# Altium PCB DriverPCB.PcbDoc (part 2 of 2)
Units mm, origin at the board's own origin, x right, y up, seen from the top; angles counter-clockwise.
Board outline 63 x 108 mm, 4 copper layers (Top Layer, Layer 2, Layer 3, Bottom Layer), stack 1.369 mm thick; 182 components, 114 nets, 540 pads, 159 vias.
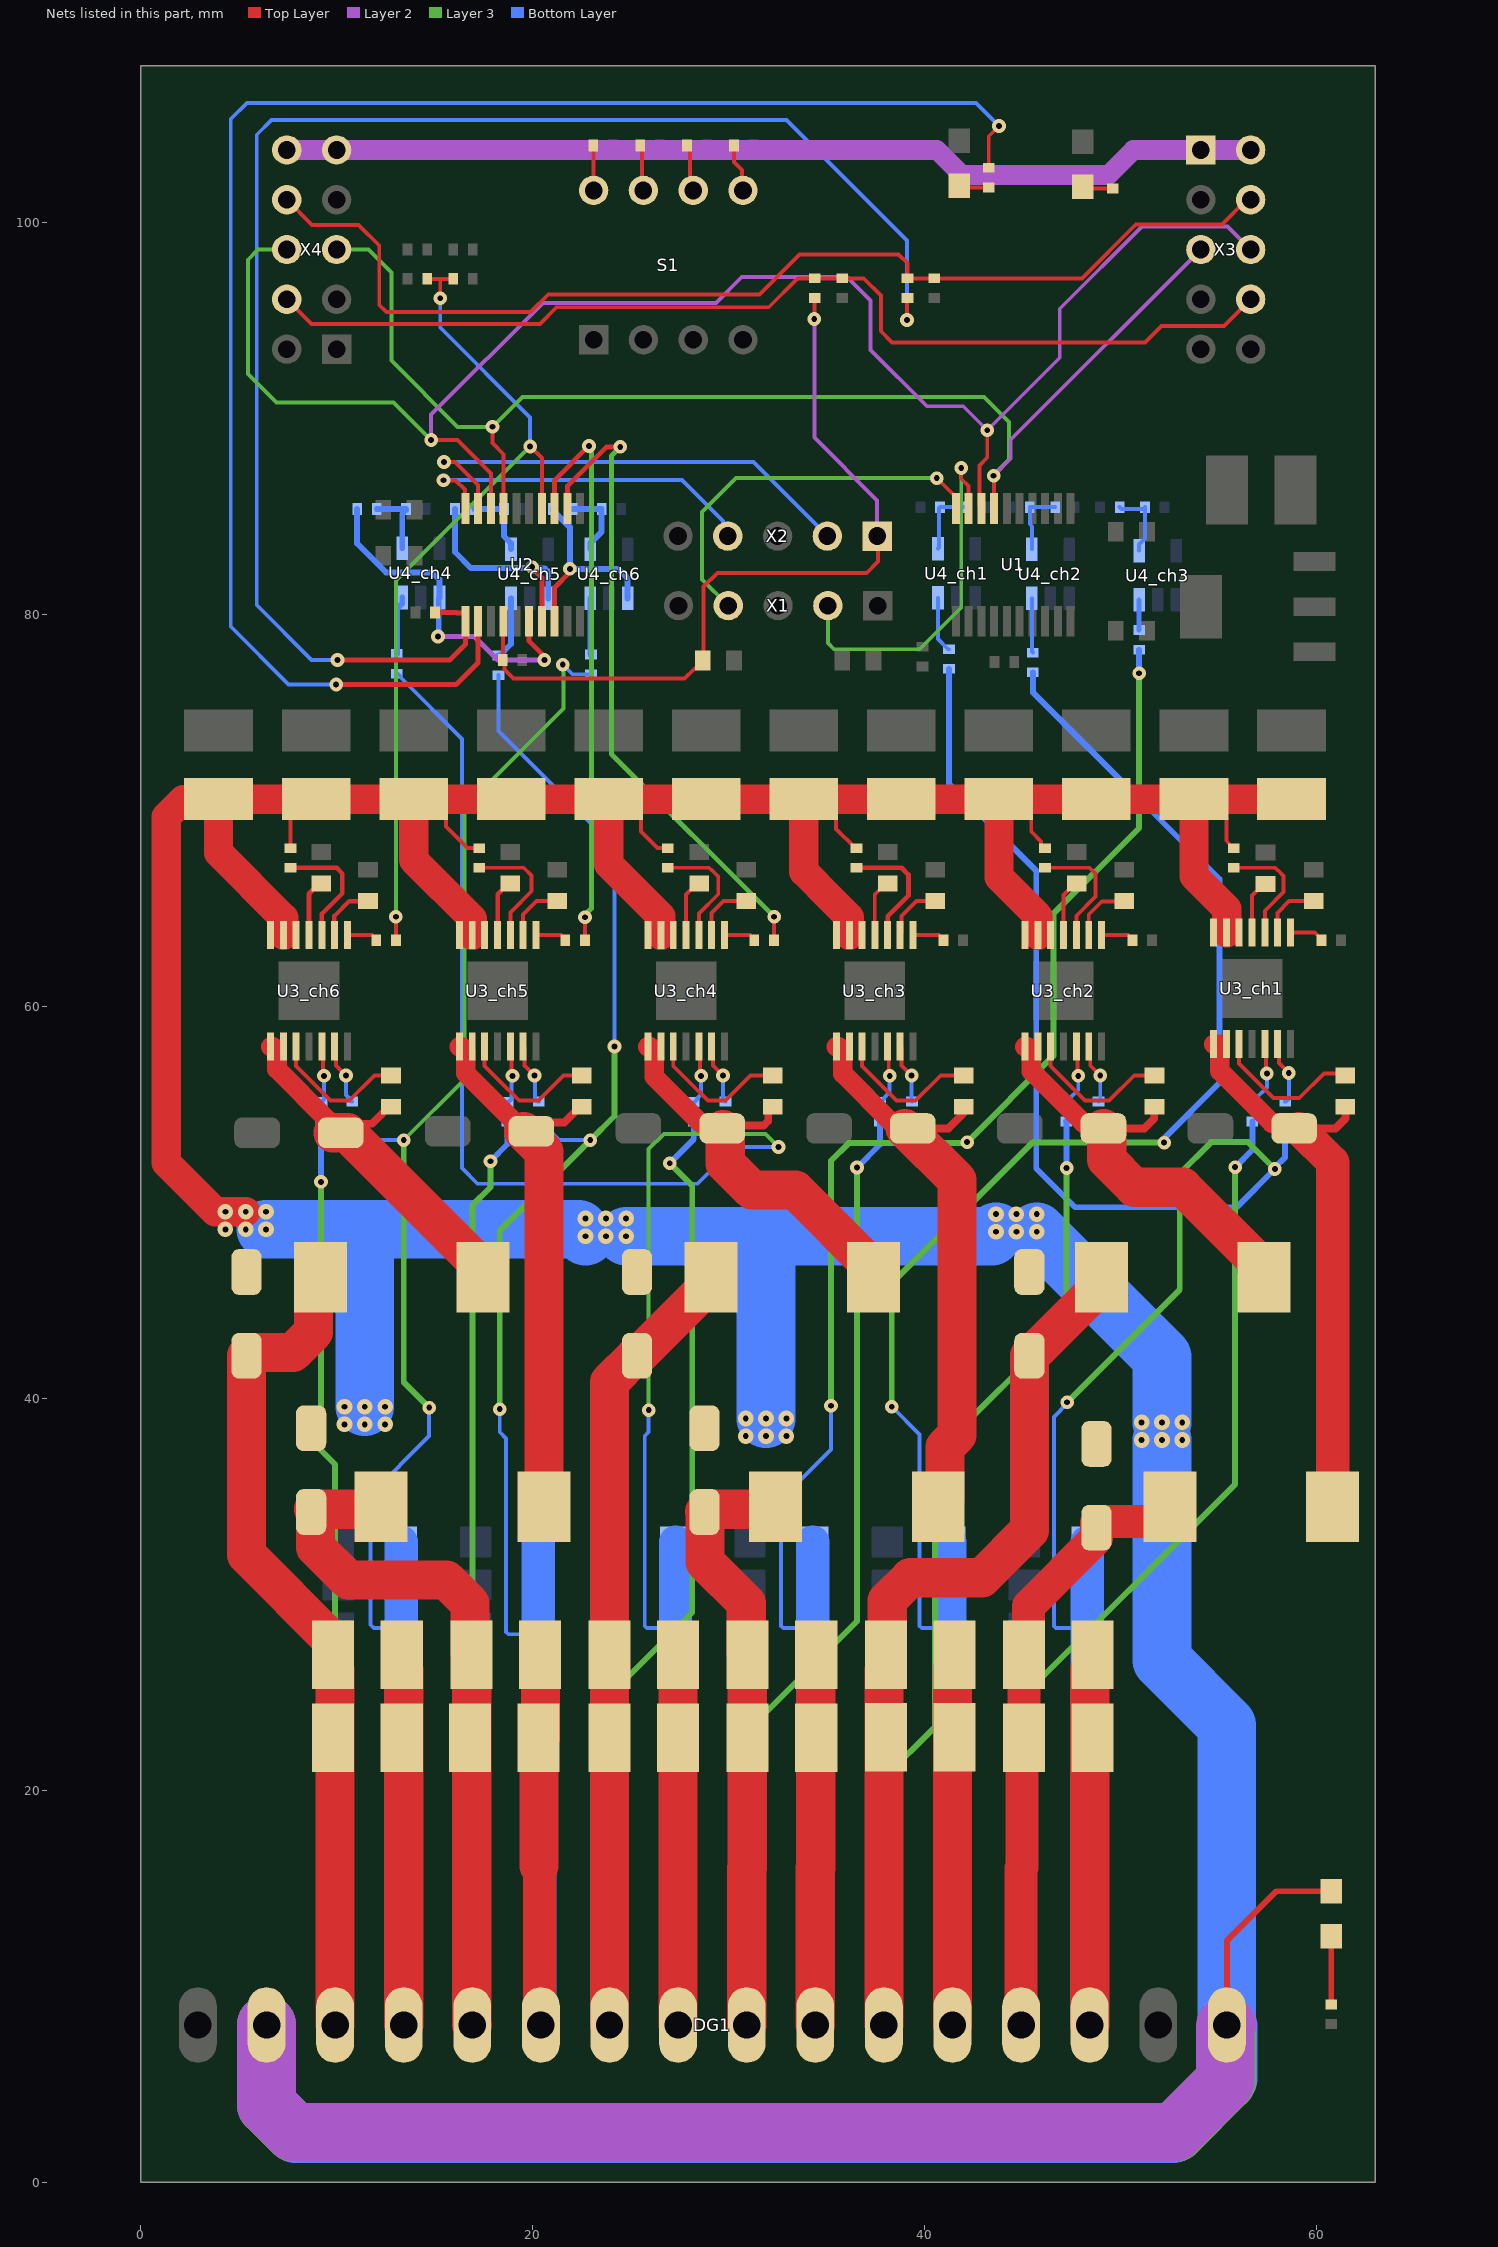
[diagram p4: the nets of this part, all layers, seen from the top]

## Via types
v1: diameter 0.7, hole 0.3, Top Layer to Bottom Layer, tented both sides, 81 vias
v2: diameter 0.8, hole 0.3, Top Layer to Bottom Layer, tented both sides, 78 vias

## Nets (pads, with @x,y where several pads share a name; then routed paths per layer and width w, separated by ;. In a path a pad name is that pad's centre, name@x,y a point inside that pad or via, vN(x,y) a via of type N, cw(c..) or ccw(c..) an arc to the next point about the centre after c; other vN are vias at no path point) (continued)
M1_SWCLK: U1.20 X1.4 | length 20
  Top Layer w0.2: v1(40.625,86.955) 41.6,85.98 U1.20@41.6,85.405
  Layer 3 w0.2: X1.4@29.985,80.45 28.65,81.785 28.65,85.225 30.38,86.955 v1(40.625,86.955)
M1_SWDIO: U1.19 X1.2 | length 19.1
  Top Layer w0.2: v1(41.875,87.475) 41.875,86.925 42.25,86.55 U1.19@42.25,85.405
  Layer 3 w0.2: X1.2@35.065,80.45 35.065,78.535 35.375,78.225 39.742,78.225 41.875,80.358 v1(41.875,87.475)
M2_A0_PWM_CH4: R3_ch6.2 R12.1 R13.2 U2.14 | length 43.2
  Top Layer w0.2: R3_ch6.2@13.025,63.375 v1(13.025,64.575) ; R12.1@14.625,97.125 15.288,97.125 ; v1(15.291,96.134) 15.288,96.138 15.288,97.125 ; R13.2@15.95,97.125 15.288,97.125 ; v1(19.875,88.575) 20.475,87.975 U2.14@20.475,85.405
  Layer 3 w0.2: v1(13.025,64.575) 13.025,81.725 v1(19.875,88.575)
  Bottom Layer w0.2: v1(15.291,96.134) 15.291,94.634 19.875,90.05 v1(19.875,88.575)
M2_ADC1: R17_ch4.2 U2.6 U4_ch4.1 | length 17.9
  Top Layer w0.25: U2.6@19.825,79.645 19.825,78.636 20.514,77.947 20.514,77.761 v1(20.6,77.675)
  Layer 2 w0.25: v1(15.175,78.875) 17.025,78.875 18.225,77.675 v1(20.6,77.675)
  Bottom Layer w0.3: R17_ch4.2@11.05,85.375 11.05,83.625 12.525,82.15 14.875,82.15 15.25,81.775 U4_ch4.1@15.25,80.87 15.212,80.833 15.212,78.912 v1(15.175,78.875)
M2_ADC2: R17_ch5.2 U2.7 U4_ch5.1 | length 11.7
  Top Layer w0.25: v1(19.986,82.414) 19.986,82.366 20.475,81.877 U2.7@20.475,79.645
  Bottom Layer w0.3: R17_ch5.2@16.04,85.375 16.04,83.185 16.85,82.375 19.947,82.375 v1(19.986,82.414) 20.063,82.337 20.637,82.337 20.8,82.174 U4_ch5.1@20.8,80.82
M2_ADC3: R17_ch6.2 U2.8 U4_ch6.1 | length 10.6
  Top Layer w0.25: U2.8@21.125,79.645 21.125,81.375 21.9,82.15 v1(21.9,82.325)
  Bottom Layer w0.3: R17_ch6.2@21.03,85.375 21.03,85.325 21.9,84.455 v1(21.9,82.325) 24.375,82.325 24.575,82.125 24.85,81.85 U4_ch6.1@24.85,80.82
M2_BOOT: R35.1 R48.2 U2.1 | length 80.5
  Top Layer w0.2: v1(39.1,95.025) 39.1,96.125 R48.2@39.125,96.15
  Top Layer w0.25: v1(10.05,77.675) 15.767,77.675 16.575,78.483 U2.1@16.575,79.645 16.575,79.999 16.495,80.079 16.141,80.079 16.12,80.1 R35.1@15.025,80.1
  Bottom Layer w0.2: v1(10.05,77.675) 8.725,77.675 5.925,80.475 5.925,104.475 6.675,105.225 32.95,105.225 39.1,99.075 v1(39.1,95.025)
M2_LED: R40.1 U2.2 | length 84.7
  Top Layer w0.2: R40.1@43.275,102.79 43.275,104.4 v1(43.8,104.925)
  Top Layer w0.25: v1(9.975,76.425) 16.1,76.425 17.225,77.55 U2.2@17.225,79.645
  Bottom Layer w0.2: v1(9.975,76.425) 7.55,76.425 4.6,79.375 4.6,105.275 5.425,106.1 42.625,106.1 v1(43.8,104.925)
M2_NRST: C13.2 R34.1 R46.2 U2.4 X2.1 | length 41.3
  Top Layer w0.2: U2.4@18.525,79.645 18.5,79.62 18.5,77.7 R34.1@18.475,77.675 18.567,77.583 18.567,77.193 19.036,76.725 27.75,76.725 28.275,77.25 28.375,77.25 28.675,77.55 C13.2@28.675,77.65 28.725,77.7 28.725,81.425 29.425,82.125 37.05,82.125 37.625,82.7 37.625,83.955 X2.1@37.58,84 ; v1(34.375,95.075) 34.375,96.125 R46.2@34.4,96.15
  Layer 2 w0.2: v1(34.375,95.075) 34.375,89.025 37.58,85.82 X2.1@37.58,84
M2_PWM_CH1: R3_ch4.2 U2.12 | length 33.5
  Top Layer w0.2: R3_ch4.2@32.315,63.375 32.32,63.38 32.32,64.57 v1(32.325,64.575)
  Top Layer w0.25: U2.12@21.775,85.405 21.775,86.545 23.78,88.55 v1(24.475,88.55)
  Layer 3 w0.25: v1(24.475,88.55) 24.025,88.1 24.025,72.875 v1(32.325,64.575)
M2_PWM_CH2: R3_ch5.2 U2.13 | length 29.3
  Top Layer w0.2: R3_ch5.2@22.67,63.375 22.672,63.377 22.672,64.548 v1(22.675,64.55)
  Top Layer w0.25: U2.13@21.125,85.405 21.125,86.85 v1(22.875,88.6)
  Layer 3 w0.25: v1(22.675,64.55) 22.675,64.672 23,64.997 23,88.353 22.875,88.478 v1(22.875,88.6)
M2_SWCLK: U2.20 X2.4 | length 18.3
  Top Layer w0.2: v1(15.45,86.85) 15.46,86.84 16.073,86.84 16.545,86.368 16.545,85.435 U2.20@16.575,85.405
  Bottom Layer w0.2: v1(15.45,86.85) 27.625,86.85 29.711,84.764 29.711,84.249 X2.4@29.96,84
M2_SWDIO: U2.19 X2.2 | length 24.6
  Top Layer w0.2: v1(15.475,87.775) 16.05,87.775 17.225,86.6 U2.19@17.225,85.405
  Bottom Layer w0.2: v1(15.475,87.775) 31.265,87.775 X2.2@35.04,84
NetC1_ch1_1: C1_ch1.1 D2_ch1.C L1_ch1.1 U3_ch1.1 U3_ch1.2 | length 30.1
  Top Layer w0.4: D2_ch1.C@58.585,54.05 D2_ch1.C@58.86,53.775 59.1,53.775 60.966,53.775 61.475,54.284 C1_ch1.1@61.475,54.875
  Top Layer w1: U3_ch1.1@54.75,58.075 55.072,58.075 55.072,56.703 57.725,54.05 D2_ch1.C@58.585,54.05
  Top Layer w1.7: D2_ch1.C@59.1,53.775 60.825,52.05 L1_ch1.1@60.825,34.475
NetC1_ch1_2: C1_ch1.2 U3_ch1.3 | length 7.7
  Top Layer w0.2: U3_ch1.3@56.045,58.075 56.045,57.083 56.757,56.371 57.807,55.321 59.121,55.321 60.385,56.585 C1_ch1.2@61.365,56.585
  Top Layer w0.3: C1_ch1.2@61.365,56.585 C1_ch1.2@61.475,56.475
NetC1_ch2_1: C1_ch2.1 D2_ch2.C L1_ch2.1 U3_ch2.1 U3_ch2.2 | length 22.2
  Top Layer w0.4: D2_ch2.C@48.855,54.05 D2_ch2.C@49.13,53.775 51.216,53.775 51.725,54.284 51.725,54.865 C1_ch2.1@51.735,54.875
  Top Layer w1: U3_ch2.1@45.128,57.95 45.239,57.95 45.45,57.739 45.45,56.7 48.1,54.05 D2_ch2.C@48.855,54.05
  Top Layer w2: D2_ch2.C@49.13,53.775 49.295,53.61 49.295,52.182 50.702,50.775 53.175,50.775 56.975,46.975 56.975,46.525 L1_ch2.1@57.325,46.175
NetC1_ch2_2: C1_ch2.2 U3_ch2.3 | length 7.1
  Top Layer w0.2: U3_ch2.3@46.423,57.95 46.423,56.958 47.135,56.246 48.185,55.196 49.421,55.196 50.7,56.475 C1_ch2.2@51.264,56.475
NetC1_ch3_1: C1_ch3.1 D2_ch3.C L1_ch3.1 U3_ch3.1 U3_ch3.2 | length 30.3
  Top Layer w0.4: D2_ch3.C@39.125,54.05 D2_ch3.C@39.4,53.775 41.216,53.775 41.975,54.534 41.975,54.855 C1_ch3.1@41.995,54.875
  Top Layer w1: U3_ch3.1@35.505,57.95 35.616,57.95 35.828,57.739 35.828,56.572 38.35,54.05 D2_ch3.C@39.125,54.05
  Top Layer w2: D2_ch3.C@39.01,53.775 41.65,51.135 41.65,38.125 41.05,37.525 41.05,34.825 L1_ch3.1@40.7,34.475
NetC1_ch3_2: C1_ch3.2 U3_ch3.3 | length 7.1
  Top Layer w0.2: U3_ch3.3@36.801,57.95 36.801,56.958 37.513,56.246 38.563,55.196 39.546,55.196 40.825,56.475 C1_ch3.2@41.642,56.475
NetC1_ch4_1: C1_ch4.1 D2_ch4.C L1_ch4.1 U3_ch4.1 U3_ch4.2 | length 21.7
  Top Layer w0.4: D2_ch4.C@29.72,53.725 D2_ch4.C@29.67,53.775 29.82,53.925 31.788,53.925 32.022,54.159 32.022,54.675 32.222,54.875 C1_ch4.1@32.255,54.875
  Top Layer w1: U3_ch4.1@25.883,57.95 25.994,57.95 26.205,57.739 26.205,56.42 28.575,54.05 29.395,54.05 D2_ch4.C@29.67,53.775
  Top Layer w2: D2_ch4.C@29.72,53.725 29.835,53.61 29.835,51.99 31.2,50.625 33.4,50.625 37.4,46.625 L1_ch4.1@37.4,46.175
NetC1_ch4_2: C1_ch4.2 U3_ch4.3 | length 7.1
  Top Layer w0.2: U3_ch4.3@27.178,57.95 27.178,56.958 27.89,56.246 28.94,55.196 29.846,55.196 31.125,56.475 C1_ch4.2@32.02,56.475
NetC1_ch5_1: C1_ch5.1 D2_ch5.C L1_ch5.1 U3_ch5.1 U3_ch5.2 | length 28.4
  Top Layer w0.4: D2_ch5.C@19.94,53.625 20.399,54.084 21.624,54.084 22.415,54.875 C1_ch5.1@22.515,54.875
  Top Layer w1: U3_ch5.1@16.261,57.95 16.372,57.95 16.583,57.739 16.583,56.592 D2_ch5.C@19.55,53.625
  Top Layer w2: D2_ch5.C@19.55,53.625 20.575,52.6 L1_ch5.1@20.575,34.475
NetC1_ch5_2: C1_ch5.2 U3_ch5.3 | length 7.1
  Top Layer w0.2: U3_ch5.3@17.556,57.95 17.556,56.958 18.268,56.246 19.318,55.196 20.296,55.196 21.575,56.475 C1_ch5.2@22.397,56.475
NetC1_ch6_1: C1_ch6.1 D2_ch6.C L1_ch6.1 U3_ch6.1 U3_ch6.2 | length 20.3
  Top Layer w0.4: D2_ch6.C@9.82,53.55 10.279,54.009 11.809,54.009 12.675,54.875 C1_ch6.1@12.775,54.875
  Top Layer w1: U3_ch6.1@6.638,57.95 6.749,57.95 6.961,57.739 6.961,56.799 9.545,54.215 9.545,53.825 D2_ch6.C@9.82,53.55
  Top Layer w2: D2_ch6.C@9.82,53.55 D2_ch6.C@10.21,53.55 10.55,53.55 17.475,46.625 L1_ch6.1@17.475,46.175
NetC1_ch6_2: C1_ch6.2 U3_ch6.3 | length 7.1
  Top Layer w0.2: U3_ch6.3@7.934,57.95 7.934,56.958 8.646,56.246 9.696,55.196 10.646,55.196 11.925,56.475 C1_ch6.2@12.775,56.475
NetC2_ch1_1: C2_ch1.1 U3_ch1.11 | length 2.8
  Top Layer w0.2: U3_ch1.11@56.706,63.765 56.706,65.656 57.3,66.25 C2_ch1.1@57.4,66.25
NetC2_ch2_1: C2_ch2.1 U3_ch2.11 | length 3
  Top Layer w0.2: U3_ch2.11@47.083,63.64 47.083,65.693 47.665,66.275 C2_ch2.1@47.765,66.275
NetC2_ch3_1: C2_ch3.1 U3_ch3.11 | length 3
  Top Layer w0.2: U3_ch3.11@37.461,63.64 37.461,65.706 38.03,66.275 C2_ch3.1@38.13,66.275
NetC2_ch4_1: C2_ch4.1 U3_ch4.11 | length 3
  Top Layer w0.2: U3_ch4.11@27.839,63.64 27.839,65.719 28.395,66.275 C2_ch4.1@28.495,66.275
NetC2_ch5_1: C2_ch5.1 U3_ch5.11 | length 3
  Top Layer w0.23: U3_ch5.11@18.217,63.64 18.217,65.732 18.76,66.275 C2_ch5.1@18.86,66.275
NetC2_ch6_1: C2_ch6.1 U3_ch6.11 | length 3
  Top Layer w0.25: U3_ch6.11@8.594,63.64 8.594,65.744 9.125,66.275 C2_ch6.1@9.225,66.275
NetC5_ch1_1: C5_ch1.1 C6_ch1.1 DG1.14 R4_ch1.1 R5_ch1.1 R6_ch1.1 R7_ch1.1 R8_ch1.1 R9_ch1.1 R14_ch1.1 | length 121
  Top Layer w2: DG1.14@48.425,8.025 48.425,26.1 48.575,26.25 C5_ch1.1@48.575,26.925
  Layer 3 w0.3: v1(47.275,39.8) 53.025,45.55 53.025,51.475 54.625,53.075 56.5,53.075 v1(57.875,51.7)
  Bottom Layer w0.2: v1(47.275,39.8) 47.275,39.731 46.6,39.056 46.6,28.392 46.717,28.275 R7_ch1.1@48.295,28.275
  Bottom Layer w0.3: R14_ch1.1@41.25,77.225 41.25,71.375 45.7,66.925 45.7,51.725 47.675,49.75 55.925,49.75 v1(57.875,51.7) 57.875,51.781 58.4,52.306 R4_ch1.1@58.4,54.15
  Bottom Layer w1.7: R5_ch1.1@48.295,32.675 R6_ch1.1@48.295,30.475 R7_ch1.1@48.295,28.275 R8_ch1.1@48.295,26.075 R9_ch1.1@48.295,23.875 48.295,20.582 48.381,20.497 48.381,8.069 DG1.14@48.425,8.025
NetC5_ch1_2: C5_ch1.2 C6_ch1.2 D1_ch1.A DG1.13 L1_ch1.2 R1_ch1.1 | length 82.5
  Top Layer w1.7: DG1.13@44.925,8.025 44.925,16.025 44.969,16.069 44.969,22.675 45.075,22.781 45.075,26.713 44.969,26.819 C5_ch1.2@45.075,26.925 45.3,27.15 45.3,29.4 48.775,32.875 D1_ch1.A@48.775,33.404 48.775,33.644 48.85,33.719 52.025,33.719 52.525,34.219 L1_ch1.2@52.525,34.475
  Layer 3 w0.3: DG1.13@44.925,8.025 44.925,24.7 55.85,35.625 v1(55.85,51.8)
  Bottom Layer w0.3: v1(55.85,51.8) 56.725,52.675 R1_ch1.1@56.725,54.125
NetC5_ch2_1: C5_ch2.1 C6_ch2.1 DG1.12 R4_ch2.1 R5_ch2.1 R6_ch2.1 R7_ch2.1 R8_ch2.1 R9_ch2.1 R14_ch2.1 | length 113.1
  Top Layer w2: DG1.12@41.425,8.025 41.425,26.15 41.525,26.25 C5_ch2.1@41.525,26.925
  Layer 3 w0.3: v1(38.325,39.575) 38.325,45.875 45.5,53.05 v1(52.225,53.05)
  Bottom Layer w0.2: v1(38.325,39.575) 39.75,38.15 39.75,28.392 39.867,28.275 R7_ch2.1@41.295,28.275 ; R4_ch2.1@48.88,54.15 48.93,54.15 50.03,53.05 v1(52.225,53.05)
  Bottom Layer w0.3: R14_ch2.1@45.525,77.05 45.525,76.025 55.05,66.5 55.05,56.101 52.302,53.352 52.302,53.127 v1(52.225,53.05)
  Bottom Layer w1.7: R5_ch2.1@41.295,32.675 R6_ch2.1@41.295,30.475 R7_ch2.1@41.295,28.275 R8_ch2.1@41.295,26.075 R9_ch2.1@41.295,23.875 41.425,23.745 DG1.12@41.425,8.025
NetC5_ch2_2: C5_ch2.2 C6_ch2.2 D1_ch2.A DG1.11 L1_ch2.2 R1_ch2.1 | length 94.9
  Top Layer w2: DG1.11@37.925,8.025 37.925,26.15 38.025,26.25 C5_ch2.2@38.025,26.925 38.1,27 38.1,29.678 39.272,30.85 42.925,30.85 45.35,33.275 D1_ch2.A@45.35,42.178 45.41,42.178 48.607,45.375 48.675,45.375 49.025,45.725 L1_ch2.2@49.025,46.175
  Layer 3 w0.3: DG1.11@37.925,8.025 37.925,20.625 40.525,23.225 40.525,37.15 47.25,43.875 v1(47.25,51.75)
  Bottom Layer w0.3: R1_ch2.1@47.225,54.125 47.25,54.1 v1(47.25,51.75)
NetC5_ch3_1: C5_ch3.1 C6_ch3.1 DG1.10 R4_ch3.1 R5_ch3.1 R6_ch3.1 R7_ch3.1 R8_ch3.1 R9_ch3.1 R14_ch3.1 | length 109.4
  Top Layer w2: DG1.10@34.425,8.025 34.425,16.025 34.45,16.05 34.45,26.9 C5_ch3.1@34.475,26.925
  Layer 3 w0.3: v1(35.225,39.625) 35.225,52.125 36.125,53.025 v1@42.125,53.025 ; v1(42.175,53.075) 46.575,57.475 46.575,64.725 50.95,69.1 v1(50.95,77)
  Bottom Layer w0.2: R7_ch3.1@34.294,28.275 32.792,28.275 32.675,28.392 32.675,34.85 35.225,37.4 v1(35.225,39.625) ; R4_ch3.1@39.36,54.15 39.41,54.15 40.485,53.075 v1(42.175,53.075)
  Bottom Layer w0.3: v1(50.95,77) R14_ch3.1@50.95,78.2
  Bottom Layer w1.7: R5_ch3.1@34.294,32.675 R6_ch3.1@34.294,30.475 R7_ch3.1@34.294,28.275 R8_ch3.1@34.294,26.075 R9_ch3.1@34.294,23.875 34.294,20.584 34.381,20.497 34.381,8.069 DG1.10@34.425,8.025
NetC5_ch3_2: C5_ch3.2 C6_ch3.2 D1_ch3.A DG1.9 L1_ch3.2 R1_ch3.1 | length 79.8
  Top Layer w2: DG1.9@30.925,8.025 30.925,16.025 30.95,16.05 30.95,26.9 C5_ch3.2@30.975,26.925 30.9,27 30.9,29.55 28.8,31.65 28.8,34.177 D1_ch3.A@28.775,34.202 28.912,34.338 32.263,34.338 L1_ch3.2@32.4,34.475
  Layer 3 w0.3: DG1.9@30.925,8.025 30.925,23 36.55,28.625 v1(36.55,51.775)
  Bottom Layer w0.3: v1(36.55,51.775) 37.725,52.95 R1_ch3.1@37.725,54.125
NetC5_ch4_1: C5_ch4.1 C6_ch4.1 DG1.8 R4_ch4.1 R5_ch4.1 R6_ch4.1 R7_ch4.1 R8_ch4.1 R9_ch4.1 R14_ch4.1 | length 122.4
  Top Layer w2: DG1.8@27.425,8.025 C5_ch4.1@27.425,26.925
  Layer 3 w0.2: v1(25.925,39.4) 25.925,52.725 26.7,53.5 31.875,53.5 v1(32.55,52.825)
  Bottom Layer w0.2: R14_ch4.1@13.075,76.975 13.125,76.975 13.275,76.825 13.275,76.775 16.4,73.65 16.4,51.75 17.2,50.95 28.425,50.95 29.84,52.365 29.84,52.96 ; v1(25.925,39.4) 25.925,38.281 25.725,38.081 25.725,28.392 25.842,28.275 R7_ch4.1@27.293,28.275 ; R4_ch4.1@29.84,54.15 29.84,52.96 ; v1(32.55,52.825) 29.975,52.825 29.84,52.96
  Bottom Layer w1.7: R5_ch4.1@27.293,32.675 R6_ch4.1@27.293,30.475 R7_ch4.1@27.293,28.275 R8_ch4.1@27.293,26.075 R9_ch4.1@27.293,23.875 27.293,20.584 27.381,20.497 27.381,8.069 DG1.8@27.425,8.025
NetC5_ch4_2: C5_ch4.2 C6_ch4.2 D1_ch4.A DG1.7 L1_ch4.2 R1_ch4.1 | length 89.4
  Top Layer w2: DG1.7@23.925,8.025 23.925,16.025 C5_ch4.2@23.925,26.925 23.925,40.838 25.265,42.178 D1_ch4.A@25.325,42.178 25.385,42.178 28.582,45.375 28.75,45.375 29.1,45.725 L1_ch4.2@29.1,46.175
  Layer 3 w0.3: DG1.7@23.925,8.025 23.825,8.125 23.825,24.75 28.15,29.075 28.15,50.85 v1(27,52)
  Bottom Layer w0.3: v1(27,52) 28.225,53.225 R1_ch4.1@28.225,54.125
NetC5_ch5_1: C5_ch5.1 C6_ch5.1 DG1.6 R4_ch5.1 R5_ch5.1 R6_ch5.1 R7_ch5.1 R8_ch5.1 R9_ch5.1 R14_ch5.1 | length 102.3
  Top Layer w1.7: 20.325,16.15 20.35,16.125 20.35,8.056 DG1.6@20.381,8.025
  Top Layer w2: C6_ch5.1@20.3,22.675 20.325,22.65 20.325,16.15 ; C5_ch5.1@20.375,26.925 20.4,26.9 C6_ch5.1@20.4,22.675
  Layer 3 w0.3: v1(18.325,39.45) 18.325,48.555 v1(22.945,53.175) 24.175,54.405 v1(24.175,57.95)
  Bottom Layer w0.2: R14_ch5.1@18.263,76.9 18.263,74.046 24.175,68.133 v1(24.175,57.95) ; v1(18.325,39.45) 18.325,38.275 18.65,37.95 18.65,28.083 18.767,27.965 19.983,27.965 R7_ch5.1@20.292,28.275 ; R4_ch5.1@20.32,54.15 20.37,54.15 21.345,53.175 v1(22.945,53.175)
  Bottom Layer w1.7: R5_ch5.1@20.292,32.675 R6_ch5.1@20.292,30.475 R7_ch5.1@20.292,28.275 R8_ch5.1@20.292,26.075 R9_ch5.1@20.292,23.875 20.292,20.585 20.381,20.497 20.381,8.069 DG1.6@20.425,8.025
NetC5_ch5_2: C5_ch5.2 C6_ch5.2 D1_ch5.A DG1.5 L1_ch5.2 R1_ch5.1 | length 82.6
  Top Layer w2: D1_ch5.A@8.837,34.338 12.138,34.338 L1_ch5.2@12.275,34.475 ; D1_ch5.A@8.925,34.037 8.925,32.4 10.6,30.725 15.6,30.725 16.8,29.525 16.8,27 C5_ch5.2@16.875,26.925 16.9,26.9 16.9,8.05 DG1.5@16.925,8.025
  Layer 3 w0.3: DG1.5@16.925,8.025 16.925,49.85 17.85,50.775 v1(17.85,52.1)
  Bottom Layer w0.3: v1(17.85,52.1) 18.725,52.975 R1_ch5.1@18.725,54.125
NetC5_ch6_1: C5_ch6.1 C6_ch6.1 DG1.4 R4_ch6.1 R5_ch6.1 R6_ch6.1 R7_ch6.1 R8_ch6.1 R9_ch6.1 R14_ch6.1 | length 104.1
  Top Layer w2: C5_ch6.1@13.325,26.925 13.325,26.25 13.425,26.15 DG1.4@13.425,8.025
  Layer 3 w0.2: v1(13.425,53.175) 16.525,56.275 16.525,70.15 21.575,75.2 21.575,77.403 v1(21.539,77.439)
  Layer 3 w0.3: v1(13.425,53.175) 13.425,40.825 v1(14.725,39.525)
  Bottom Layer w0.2: R4_ch6.1@10.8,54.15 10.85,54.15 11.825,53.175 v1(13.425,53.175) ; R7_ch6.1@13.292,28.275 11.901,28.275 11.725,28.451 11.725,35.075 14.725,38.075 v1(14.725,39.525) ; v1(21.539,77.439) 22.028,76.95 R14_ch6.1@22.975,76.95
  Bottom Layer w1.7: R5_ch6.1@13.292,32.675 R6_ch6.1@13.292,30.475 R7_ch6.1@13.292,28.275 R8_ch6.1@13.292,26.075 R9_ch6.1@13.292,23.875 13.292,20.586 13.381,20.497 13.381,8.069 DG1.4@13.425,8.025
NetC5_ch6_2: C5_ch6.2 C6_ch6.2 D1_ch6.A DG1.3 L1_ch6.2 R1_ch6.1 | length 89.3
  Top Layer w2: L1_ch6.2@9.175,46.175 8.825,45.825 8.825,43.39 7.778,42.343 5.565,42.343 D1_ch6.A@5.4,42.178 5.4,32.025 9.825,27.6 C5_ch6.2@9.825,26.925 9.825,26.25 9.925,26.15 DG1.3@9.925,8.025
  Layer 3 w0.3: v1(9.2,51.05) 9.2,37.35 9.925,36.625 DG1.3@9.925,8.025
  Bottom Layer w0.3: v1(9.2,51.05) 9.213,51.063 9.213,54.113 R1_ch6.1@9.225,54.125
NetC7_ch1_1: C7_ch1.1 U3_ch1.9 | length 3.1
  Top Layer w0.2: U3_ch1.9@58.001,63.765 58.001,64.776 58.6,65.375 C7_ch1.1@59.85,65.375
NetC7_ch2_1: C7_ch2.1 U3_ch2.9 | length 3.2
  Top Layer w0.2: U3_ch2.9@48.379,63.64 48.379,64.688 49.041,65.35 50.175,65.35 C7_ch2.1@50.2,65.375
NetC7_ch3_1: C7_ch3.1 U3_ch3.9 | length 3
  Top Layer w0.2: U3_ch3.9@38.757,63.64 38.834,63.717 38.834,64.609 39.6,65.375 C7_ch3.1@40.55,65.375
NetC7_ch4_1: C7_ch4.1 U3_ch4.9 | length 3.1
  Top Layer w0.2: U3_ch4.9@29.134,63.64 29.134,64.759 29.75,65.375 C7_ch4.1@30.9,65.375
NetC7_ch5_1: C7_ch5.1 U3_ch5.9 | length 3.1
  Top Layer w0.2: U3_ch5.9@19.512,63.64 19.512,64.687 20.2,65.375 C7_ch5.1@21.25,65.375
NetC7_ch6_1: C7_ch6.1 U3_ch6.9 | length 3
  Top Layer w0.23: U3_ch6.9@9.89,63.64 9.89,64.615 10.65,65.375 C7_ch6.1@11.6,65.375
NetR1_ch1_2: R1_ch1.2 U3_ch1.5 | length 3.3
  Top Layer w0.2: U3_ch1.5@57.366,58.075 57.417,58.025 57.417,56.631 v1(57.467,56.58)
  Bottom Layer w0.2: R1_ch1.2@56.725,55.125 56.775,55.125 56.925,55.275 56.925,55.325 57.467,55.867 v1(57.467,56.58)
NetR1_ch2_2: R1_ch2.2 U3_ch2.5 | length 3.2
  Top Layer w0.2: U3_ch2.5@47.744,57.95 47.794,57.9 47.794,56.506 v1(47.845,56.455)
  Bottom Layer w0.2: R1_ch2.2@47.225,55.125 47.275,55.125 47.425,55.275 47.425,55.325 47.845,55.745 v1(47.845,56.455)
NetR1_ch3_2: R1_ch3.2 U3_ch3.5 | length 3.1
  Top Layer w0.2: U3_ch3.5@38.122,57.95 38.172,57.9 38.172,56.506 v1(38.222,56.455)
  Bottom Layer w0.2: R1_ch3.2@37.725,55.125 37.775,55.125 37.925,55.275 37.925,55.325 38.222,55.622 v1(38.222,56.455)
NetR1_ch4_2: R1_ch4.2 U3_ch4.5 | length 3.1
  Top Layer w0.2: U3_ch4.5@28.499,57.95 28.55,57.9 28.55,56.506 v1(28.6,56.455)
  Bottom Layer w0.2: R1_ch4.2@28.225,55.125 28.275,55.125 28.425,55.275 28.425,55.325 28.6,55.5 v1(28.6,56.455)
NetR1_ch5_2: R1_ch5.2 U3_ch5.5 | length 3
  Top Layer w0.2: U3_ch5.5@18.877,57.95 18.927,57.9 18.927,56.506 v1(18.978,56.455)
  Bottom Layer w0.2: R1_ch5.2@18.725,55.125 18.775,55.125 18.925,55.275 18.925,56.403 v1(18.978,56.455)
NetR1_ch6_2: R1_ch6.2 U3_ch6.5 | length 2.9
  Top Layer w0.2: U3_ch6.5@9.255,57.95 9.305,57.9 9.305,56.506 v1(9.355,56.455)
  Bottom Layer w0.2: R1_ch6.2@9.225,55.125 9.355,55.255 v1(9.355,56.455)
NetR2_ch1_1: R2_ch1.1 U3_ch1.10 | length 6
  Top Layer w0.2: R2_ch1.1@55.775,67.075 57.875,67.075 58,66.95 58.024,66.95 58.325,66.649 58.325,65.841 57.366,64.882 U3_ch1.10@57.366,63.765
NetR2_ch2_1: R2_ch2.1 U3_ch2.10 | length 6.2
  Top Layer w0.2: R2_ch2.1@46.15,67.075 48.425,67.075 48.725,66.775 48.725,65.6 47.75,64.625 47.75,63.646 U3_ch2.10@47.744,63.64
NetR2_ch3_1: R2_ch3.1 U3_ch3.10 | length 6.3
  Top Layer w0.25: R2_ch3.1@36.525,67.075 38.825,67.075 39.175,66.725 39.175,65.65 38.122,64.597 U3_ch3.10@38.122,63.64
NetR2_ch4_1: R2_ch4.1 U3_ch4.10 | length 6.1
  Top Layer w0.2: R2_ch4.1@26.9,67.075 29,67.075 29.1,66.975 29.119,66.975 29.475,66.619 29.475,65.725 28.499,64.749 U3_ch4.10@28.499,63.64
NetR2_ch5_1: R2_ch5.1 U3_ch5.10 | length 6.3
  Top Layer w0.2: R2_ch5.1@17.275,67.075 19.55,67.075 19.95,66.675 19.95,65.875 18.877,64.802 U3_ch5.10@18.877,63.64
NetR2_ch6_1: R2_ch6.1 U3_ch6.10 | length 6.3
  Top Layer w0.23: R2_ch6.1@7.65,67.075 10,67.075 10.125,66.95 10.3,66.775 10.3,65.775 9.255,64.73 U3_ch6.10@9.255,63.64
NetR3_ch1_1: R3_ch1.1 U3_ch1.8 | length 1.8
  Top Layer w0.2: U3_ch1.8@58.662,63.765 59.91,63.765 60.25,63.425 R3_ch1.1@60.25,63.375
NetR3_ch2_1: R3_ch2.1 U3_ch2.8 | length 1.7
  Top Layer w0.2: U3_ch2.8@49.039,63.64 50.39,63.64 50.605,63.425 R3_ch2.1@50.605,63.375
NetR3_ch3_1: R3_ch3.1 U3_ch3.8 | length 1.7
  Top Layer w0.2: U3_ch3.8@39.417,63.64 40.745,63.64 40.96,63.425 R3_ch3.1@40.96,63.375
NetR3_ch4_1: R3_ch4.1 U3_ch4.8 | length 1.7
  Top Layer w0.2: U3_ch4.8@29.795,63.64 31.1,63.64 31.315,63.425 R3_ch4.1@31.315,63.375
NetR3_ch5_1: R3_ch5.1 U3_ch5.8 | length 1.6
  Top Layer w0.2: U3_ch5.8@20.172,63.64 21.455,63.64 21.67,63.425 R3_ch5.1@21.67,63.375
NetR3_ch6_1: R3_ch6.1 U3_ch6.8 | length 1.6
  Top Layer w0.2: U3_ch6.8@10.55,63.64 11.81,63.64 12.025,63.425 R3_ch6.1@12.025,63.375
NetR4_ch1_2: R4_ch1.2 U3_ch1.6 | length 3.3
  Top Layer w0.2: U3_ch1.6@58.001,58.075 58.079,57.997 58.079,57.108 v1(58.587,56.6)
  Bottom Layer w0.2: R4_ch1.2@58.4,55.15 58.437,55.15 58.587,55.3 v1(58.587,56.6)
NetR4_ch2_2: R4_ch2.2 U3_ch2.6 | length 3.1
  Top Layer w0.2: U3_ch2.6@48.379,57.95 48.457,57.872 48.457,56.983 v1(48.964,56.475)
  Bottom Layer w0.2: R4_ch2.2@48.88,55.15 48.964,55.234 v1(48.964,56.475)
NetR4_ch3_2: R4_ch3.2 U3_ch3.6 | length 3
  Top Layer w0.2: U3_ch3.6@38.757,57.95 38.834,57.872 38.834,56.983 v1(39.342,56.475)
  Bottom Layer w0.2: v1(39.342,56.475) 39.342,55.168 R4_ch3.2@39.36,55.15
NetR4_ch4_2: R4_ch4.2 U3_ch4.6 | length 3.1
  Top Layer w0.2: U3_ch4.6@29.134,57.95 29.212,57.872 29.212,56.983 v1(29.72,56.475)
  Bottom Layer w0.2: v1(29.72,56.475) 29.72,55.27 R4_ch4.2@29.84,55.15
NetR4_ch5_2: R4_ch5.2 U3_ch5.6 | length 3.2
  Top Layer w0.2: U3_ch5.6@19.512,57.95 19.59,57.872 19.59,56.983 v1(20.097,56.475)
  Bottom Layer w0.2: v1(20.097,56.475) 20.12,56.452 20.12,55.3 20.27,55.15 R4_ch5.2@20.32,55.15
NetR4_ch6_2: R4_ch6.2 U3_ch6.6 | length 3.2
  Top Layer w0.2: U3_ch6.6@9.89,57.95 9.967,57.872 9.967,56.983 v1(10.475,56.475)
  Bottom Layer w0.2: v1(10.475,56.475) 10.475,55.475 10.6,55.35 10.6,55.3 10.75,55.15 R4_ch6.2@10.8,55.15
NetR14_ch1_2: R14_ch1.2 U4_ch1.3 | length 2.9
  Bottom Layer w0.2: U4_ch1.3@40.688,80.845 40.688,78.737 41.2,78.225 R14_ch1.2@41.25,78.225
NetR14_ch2_2: R14_ch2.2 U4_ch2.3 | length 2.8
  Bottom Layer w0.2: U4_ch2.3@45.475,80.82 45.475,78.1 R14_ch2.2@45.525,78.05
NetR14_ch3_2: R14_ch3.2 U4_ch3.3 | length 1.5
  Bottom Layer w0.25: R14_ch3.2@50.95,79.2 U4_ch3.3@50.95,80.745
NetR14_ch4_2: R14_ch4.2 U4_ch4.3 | length 3
  Bottom Layer w0.3: R14_ch4.2@13.075,77.975 13.075,80.285 13.35,80.56 U4_ch4.3@13.35,80.87
NetR14_ch5_2: R14_ch5.2 U4_ch5.3 | length 3.2
  Bottom Layer w0.3: R14_ch5.2@18.263,77.9 18.313,77.9 18.9,78.487 U4_ch5.3@18.9,80.82
NetR14_ch6_2: R14_ch6.2 U4_ch6.3 | length 2.9
  Bottom Layer w0.3: U4_ch6.3@22.95,80.82 22.95,77.975 R14_ch6.2@22.975,77.95
NetR16_ch1_2: R16_ch1.2 R17_ch1.1 U4_ch1.4 | length 3.5
  Bottom Layer w0.2: U4_ch1.4@40.688,83.355 40.737,83.405 40.737,85.425 R17_ch1.1@40.787,85.475 R16_ch1.2@42.087,85.475
NetR16_ch2_2: R16_ch2.2 R17_ch2.1 U4_ch2.4 | length 3.5
  Bottom Layer w0.2: U4_ch2.4@45.475,83.33 45.475,84.5 45.372,84.603 R17_ch2.1@45.372,85.475 R16_ch2.2@46.665,85.475
NetR16_ch3_2: R16_ch3.2 R17_ch3.1 U4_ch3.4 | length 3.7
  Bottom Layer w0.2: R17_ch3.1@49.957,85.475 50.057,85.375 51.15,85.375 R16_ch3.2@51.25,85.475 51.25,83.865 50.95,83.565 U4_ch3.4@50.95,83.255
NetR16_ch4_2: R16_ch4.2 R17_ch4.1 U4_ch4.4 | length 3.6
  Bottom Layer w0.3: R17_ch4.1@12.05,85.375 R16_ch4.2@13.545,85.375 13.545,85.325 13.35,85.13 U4_ch4.4@13.35,83.38
NetR16_ch5_2: R16_ch5.2 R17_ch5.1 U4_ch5.4 | length 3.7
  Bottom Layer w0.3: R17_ch5.1@17.04,85.375 R16_ch5.2@18.535,85.375 18.535,84.005 18.9,83.64 U4_ch5.4@18.9,83.33
NetR16_ch6_2: R16_ch6.2 R17_ch6.1 U4_ch6.4 | length 3.8
  Bottom Layer w0.3: R17_ch6.1@22.03,85.375 R16_ch6.2@23.525,85.375 23.525,84.215 22.95,83.64 U4_ch6.4@22.95,83.33
NetR22_2: R22.2 VD1.K | length 3.5
  Top Layer w0.3: R22.2@60.75,9.075 60.75,12.544 VD1.K@60.756,12.55
NetR25_2: R25.2 S1.8 | length 2.3
  Top Layer w0.2: R25.2@23.1,103.925 23.108,103.917 23.108,101.642 S1.8@23.115,101.635
NetR26_2: R26.2 S1.7 | length 2.4
  Top Layer w0.2: R26.2@25.492,103.925 25.573,103.843 25.573,101.717 S1.7@25.655,101.635
NetR27_2: R27.2 S1.6 | length 2.4
  Top Layer w0.2: R27.2@27.883,103.925 28.033,103.775 28.033,101.797 S1.6@28.195,101.635
NetR28_2: R28.2 S1.5 | length 2.5
  Top Layer w0.2: R28.2@30.275,103.925 30.275,103.086 30.676,102.685 30.676,101.694 S1.5@30.735,101.635
NetR29_2: R29.2 VD2.A | length 1.6
  Top Layer w0.2: VD2.A@48.07,101.825 48.155,101.74 R29.2@49.6,101.74
NetR40_2: R40.2 VD3.A | length 1.5
  Top Layer w0.2: VD3.A@41.765,101.875 41.85,101.79 R40.2@43.275,101.79
NetR45_1: R45.1 R46.1 X3.8 X4.4 | length 54
  Top Layer w0.2: X4.4@7.46,96.08 8.715,94.825 20.375,94.825 21.225,95.675 32.05,95.675 33.525,97.15 R46.1@34.4,97.15 R45.1@35.8,97.15 36.9,97.15 37.775,96.275 37.775,94.45 38.35,93.875 51.25,93.875 52.1,94.725 55.285,94.725 X3.8@56.64,96.08
NetR47_1: R47.1 R48.1 X3.4 X4.8 | length 57.2
  Top Layer w0.2: X4.8@7.46,101.16 8.745,99.875 11.125,99.875 12.175,98.825 12.175,95.792 12.542,95.425 19.9,95.425 20.8,96.325 31.575,96.325 33.625,98.375 38.675,98.375 39.125,97.925 R48.1@39.125,97.15 R47.1@40.5,97.15 48.025,97.15 50.775,99.9 55.175,99.9 56.435,101.16 X3.4@56.64,101.16
NetX3_1: X3.1 X3.2 X4.9 X4.10 | length 50.2
  Layer 2 w1: X4.10@7.46,103.7 X4.9@10,103.7 40.625,103.7 41.9,102.425 49.375,102.425 50.65,103.7 X3.1@54.1,103.7 X3.2@56.64,103.7
RX_BUS: U1.18 U2.18 X3.6 X4.6 | length 85.5
  Top Layer w0.2: v1(14.825,88.9) 16.175,88.9 17.875,87.2 U2.18@17.875,85.405 ; U1.18@42.9,85.405 42.795,85.51 42.795,87.595 43.2,88 v1(43.2,89.4)
  Layer 2 w0.2: v1(14.825,88.9) 14.825,90.2 20.525,95.9 29.35,95.9 30.675,97.225 36.05,97.225 37.25,96.025 37.25,93.5 40.125,90.625 41.975,90.625 v1(43.2,89.4) 46.9,93.1 46.9,95.6 51.1,99.8 55.46,99.8 X3.6@56.64,98.62
  Layer 3 w0.2: X4.6@7.46,98.62 5.995,98.62 5.475,98.1 5.475,92.275 6.925,90.825 12.9,90.825 v1(14.825,88.9)
TX_BUS: U1.17 U2.17 X3.5 X4.5 | length 66.9
  Top Layer w0.2: v1(17.95,89.575) 17.95,88.75 18.525,88.175 U2.17@18.525,85.405 ; v1(43.525,87.075) 43.55,87.05 U1.17@43.55,85.405
  Layer 2 w0.2: v1(43.525,87.075) 44.4,87.95 44.4,88.92 X3.5@54.1,98.62
  Layer 3 w0.2: X4.5@10,98.62 11.63,98.62 12.8,97.45 12.8,92.95 16.175,89.575 v1(17.95,89.575) 19.475,91.1 43.025,91.1 44.3,89.825 44.3,87.9 43.525,87.125 v1(43.525,87.075)
Vin_ch1: C3_ch1.2 C3_ch2.2 C3_ch3.2 C3_ch4.2 C3_ch5.2 C3_ch6.2 C4_ch1.2 C4_ch2.2 C4_ch3.2 C4_ch4.2 C4_ch5.2 C4_ch6.2 D1_ch1.C D1_ch2.C D1_ch3.C D1_ch4.C D1_ch5.C D1_ch6.C DG1.2 DG1.16 R2_ch1.2 R2_ch2.2 R2_ch3.2 R2_ch4.2 R2_ch5.2 R2_ch6.2 U3_ch1.12 U3_ch1.13 U3_ch1.14 U3_ch2.12 U3_ch2.13 U3_ch2.14 U3_ch3.12 U3_ch3.13 U3_ch3.14 U3_ch4.12 U3_ch4.13 U3_ch4.14 U3_ch5.12 U3_ch5.13 U3_ch5.14 U3_ch6.12 U3_ch6.13 U3_ch6.14 VD1.A | length 429.7
  Top Layer w0.2: R2_ch6.2@7.65,68.075 7.65,69.6 8.625,70.575 C3_ch6.2@8.952,70.575 ; C4_ch5.2@13.93,70.575 14.605,70.575 15.58,69.6 15.58,69.17 16.675,68.075 R2_ch5.2@17.275,68.075 ; C4_ch4.2@23.884,70.575 24.559,70.575 25.534,69.6 25.534,68.925 26.384,68.075 R2_ch4.2@26.9,68.075 ; C4_ch3.2@33.839,70.575 34.514,70.575 35.489,69.6 35.489,69.061 36.475,68.075 R2_ch3.2@36.525,68.075 ; C3_ch2.2@43.793,70.575 44.468,70.575 45.443,69.6 45.443,68.925 45.95,68.418 45.95,68.225 46.1,68.075 R2_ch2.2@46.15,68.075 ; C3_ch1.2@53.748,70.575 54.423,70.575 55.398,69.6 55.398,68.452 55.575,68.275 55.575,68.225 55.725,68.075 R2_ch1.2@55.775,68.075
  Top Layer w0.3: DG1.16@55.425,8.025 55.425,12.325 57.95,14.85 VD1.A@60.756,14.85
  Top Layer w1.5: v2(5.363,49.525) v2(4.325,49.525) 3.8,49.525 1.3,52.025 1.3,69.671 2.179,70.55 3.95,70.55 C4_ch6.2@3.975,70.575 ; U3_ch6.13@7.299,63.64 7.299,64.521 3.975,67.845 C4_ch6.2@3.975,70.575 ; C3_ch6.2@8.625,70.575 C4_ch6.2@3.975,70.575 ; C3_ch6.2@8.952,70.575 C4_ch5.2@13.93,70.575 13.93,67.47 16.921,64.479 U3_ch5.13@16.921,63.64 ; C4_ch5.2@14.605,70.575 C3_ch5.2@18.907,70.575 C4_ch4.2@23.884,70.575 23.884,67.256 25.665,65.475 26.543,64.596 U3_ch4.13@26.543,63.64 ; C4_ch4.2@24.559,70.575 C3_ch4.2@28.861,70.575 C4_ch3.2@33.839,70.575 33.839,66.873 35.287,65.425 36.166,64.546 U3_ch3.13@36.166,63.64 ; C4_ch3.2@34.514,70.575 C3_ch3.2@38.816,70.575 C3_ch2.2@43.793,70.575 43.8,70.568 43.8,66.6 45.788,64.612 U3_ch2.13@45.788,63.64 ; C3_ch2.2@44.468,70.575 C4_ch2.2@48.77,70.575 C3_ch1.2@53.748,70.575 53.748,66.652 55.41,64.99 U3_ch1.13@55.41,63.765 ; C3_ch1.2@54.423,70.575 C4_ch1.2@58.725,70.575
  Layer 2 w3: DG1.2@6.425,8.025 6.425,3.95 7.825,2.55 52.75,2.55 55.343,5.143 55.343,7.943 DG1.16@55.425,8.025
  Layer 3 w3: DG1.2@6.425,8.025 6.425,3.925 7.825,2.525 52.8,2.525 55.425,5.15 DG1.16@55.425,8.025
  Bottom Layer w3: v2(6.4,48.625) 11.8,48.625 ; DG1.2@6.425,8.025 6.425,3.95 7.9,2.475 52.675,2.475 55.5,5.3 55.5,7.95 DG1.16@55.425,8.025 55.425,23.325 52.113,26.637 v2(52.113,37.875) ; v2(11.438,39.575) 11.438,48.262 11.8,48.625 ; v2(22.7,48.275) 22.35,48.625 11.8,48.625 ; v2(24.775,48.275) 31.8,48.275 ; v2(31.913,38.975) 31.913,48.162 31.8,48.275 ; v2(43.65,48.5) 43.425,48.275 31.8,48.275 ; v2(45.725,48.5) 52.113,42.112 v2(52.113,38.775)
  other v2: 51.075,37.875 53.15,37.875 30.875,38.075 31.913,38.075 32.95,38.075 10.4,38.675 11.438,38.675 12.475,38.675 51.075,38.775 53.15,38.775 30.875,38.975 32.95,38.975 10.4,39.575 12.475,39.575 23.738,48.275 44.688,48.5 4.325,48.625 5.363,48.625 22.7,49.175 23.738,49.175 24.775,49.175 43.65,49.4 44.688,49.4 45.725,49.4 6.4,49.525
pads on no net: U3_ch1.4 U3_ch2.4 U3_ch3.4 U3_ch4.4 U3_ch5.4 U3_ch6.4

## Polygon pours and split planes (outlines as drawn)
gnd_ch1 on Top Layer "GND" (solid, remove dead copper, pour order 15): 0,108 63,108 63,0 0,0
Vin_ch1 on Top Layer "GND" (solid, remove dead copper, pour order 0): 22.212,49.7 25.187,49.7 26.075,48.812 26.075,45.8 24.337,45.8 22.212,47.925
Vin_ch1 on Top Layer "GND" (solid, remove dead copper, pour order 4): 3.837,50.05 6.812,50.05 6.937,49.925 6.937,45.95 4.05,45.95 3.837,46.162
Vin_ch1 on Top Layer "GND" (solid, remove dead copper, pour order 8): 48.025,39.3 53.562,39.3 53.687,39.175 53.687,37.45 48.025,37.45
Vin_ch1 on Top Layer "GND" (solid, remove dead copper, pour order 6): 43.162,49.925 46.137,49.925 46.262,49.8 46.262,45.475 45.837,45.475 43.162,48.15
Vin_ch1 on Top Layer "GND" (solid, remove dead copper, pour order 2): 28.125,39.5 33.362,39.5 33.487,39.375 33.487,37.65 28.475,37.65 28.125,38
Vin_ch1 on Top Layer "GND" (solid, remove dead copper, pour order 10): 7.925,40.1 12.887,40.1 13.012,39.975 13.012,38.25 9.075,38.25 7.925,39.4
gnd_ch1 on Bottom Layer "GND" (solid, remove dead copper, pour order 12): 0,108 63,108 63,0 0,0
Vin_ch1 on Bottom Layer "GND" (solid, pour order 7): 3.837,50.05 6.812,50.05 6.937,49.925 6.937,48.2 3.912,48.2 3.837,48.275
Vin_ch1 on Bottom Layer "GND" (solid, pour order 3): 22.212,49.7 25.187,49.7 25.312,49.575 25.312,47.425 22.225,47.425 22.212,47.437
Vin_ch1 on Bottom Layer "GND" (solid, pour order 1): 9.912,40.1 12.887,40.1 13.012,39.975 13.012,38.25 9.987,38.25 9.912,38.325
Vin_ch1 on Bottom Layer "GND" (solid, pour order 9): 43.162,49.925 46.137,49.925 46.262,49.8 46.262,47.375 43.162,47.375
Vin_ch1 on Bottom Layer "GND" (solid, pour order 5): 30.387,39.5 33.362,39.5 33.487,39.375 33.487,37.65 30.462,37.65 30.387,37.725
Vin_ch1 on Bottom Layer "GND" (solid, pour order 11): 50.587,39.3 53.562,39.3 53.687,39.175 53.687,37.45 50.662,37.45 50.587,37.525
gnd_ch1 on Layer 3 "GND" (solid, remove dead copper, pour order 13): 0,108 63,108 63,0 0,0
gnd_ch1 on Layer 2 "GND" (solid, remove dead copper, pour order 14): 0,108 63,108 63,0 0,0

## Keep-outs
Keep-Out Layer:
  the board outline again, w0.3

## Silkscreen, mask and mechanical layers (free items; w line width, h text height)
Top Overlay:
  lines w0.2: 24.925,83.95 24.5,84.375 ; 24.95,84.825 24.5,84.375 ; 25.775,84.375 24.5,84.375 ; 39.4,80.55 40.675,80.55 ; 40.225,80.1 40.675,80.55 ; 40.25,80.975 40.675,80.55
  lines w0.3: 0,17.5 63,17.5 ; 0,90.5 63,90.5
  text "U1" at 46.6,102.1 h0.8 r90
  text "U2" at 40.375,101.775 h0.8 r90
  text "1" at 14.15,99.775 h0.8
  text "0" at 16.575,99.775 h0.8
  text "U2" at 33.625,98.425 h0.8
  text "U1" at 35.575,98.425 h0.8
  text "U2" at 38.3,98.425 h0.8
  text "U1" at 40.25,98.425 h0.8
  text "U1" at 18.525,98.375 h0.8
  text "U2" at 18.475,96.3 h0.8
  text "A0" at 14.529,94.229 h1
  text "NRST" at 33.404,93.354 h1
  text "BOOT" at 38.354,93.354 h1
  text "A1" at 22.379,91.504 h1
  text "A2" at 25.029,91.504 h1
  text "A3" at 27.679,91.504 h1
  text "A4" at 30.329,91.504 h1
  text "+3" at 26.479,86.104 h1
  text "SWD" at 31.404,86.104 h1
  text "R" at 37.379,85.954 h1
  text "GND" at 3.471,11.679 h1 r90
  text "PWR" at 6.971,11.679 h1 r90
  text "CH6 +" at 10.471,11.679 h1 r90
  text "CH6 -" at 13.971,11.679 h1 r90
  text "CH5 +" at 17.471,11.679 h1 r90
  text "CH5 -" at 20.971,11.679 h1 r90
  text "CH4 +" at 24.471,11.679 h1 r90
  text "CH4 -" at 27.971,11.679 h1 r90
  text "CH3 +" at 31.471,11.679 h1 r90
  text "CH3 -" at 34.971,11.679 h1 r90
  text "CH2 +" at 38.471,11.679 h1 r90
  text "CH2 -" at 41.971,11.679 h1 r90
  text "CH1 +" at 45.471,11.679 h1 r90
  text "CH1 -" at 48.971,11.679 h1 r90
  text "GND" at 52.471,11.679 h1 r90
  text "PWR" at 55.971,11.679 h1 r90